# Altium PCB CPU_CARD.pcbdoc (part 10 of 10)
Units mil, origin at the board's own origin, x right, y up, seen from the top; angles counter-clockwise.
Board outline 12785.46 x 11935.21 mil, 2 copper layers (Top Layer, Bottom Layer); 169 components, 379 nets, 1548 pads, 1023 vias.
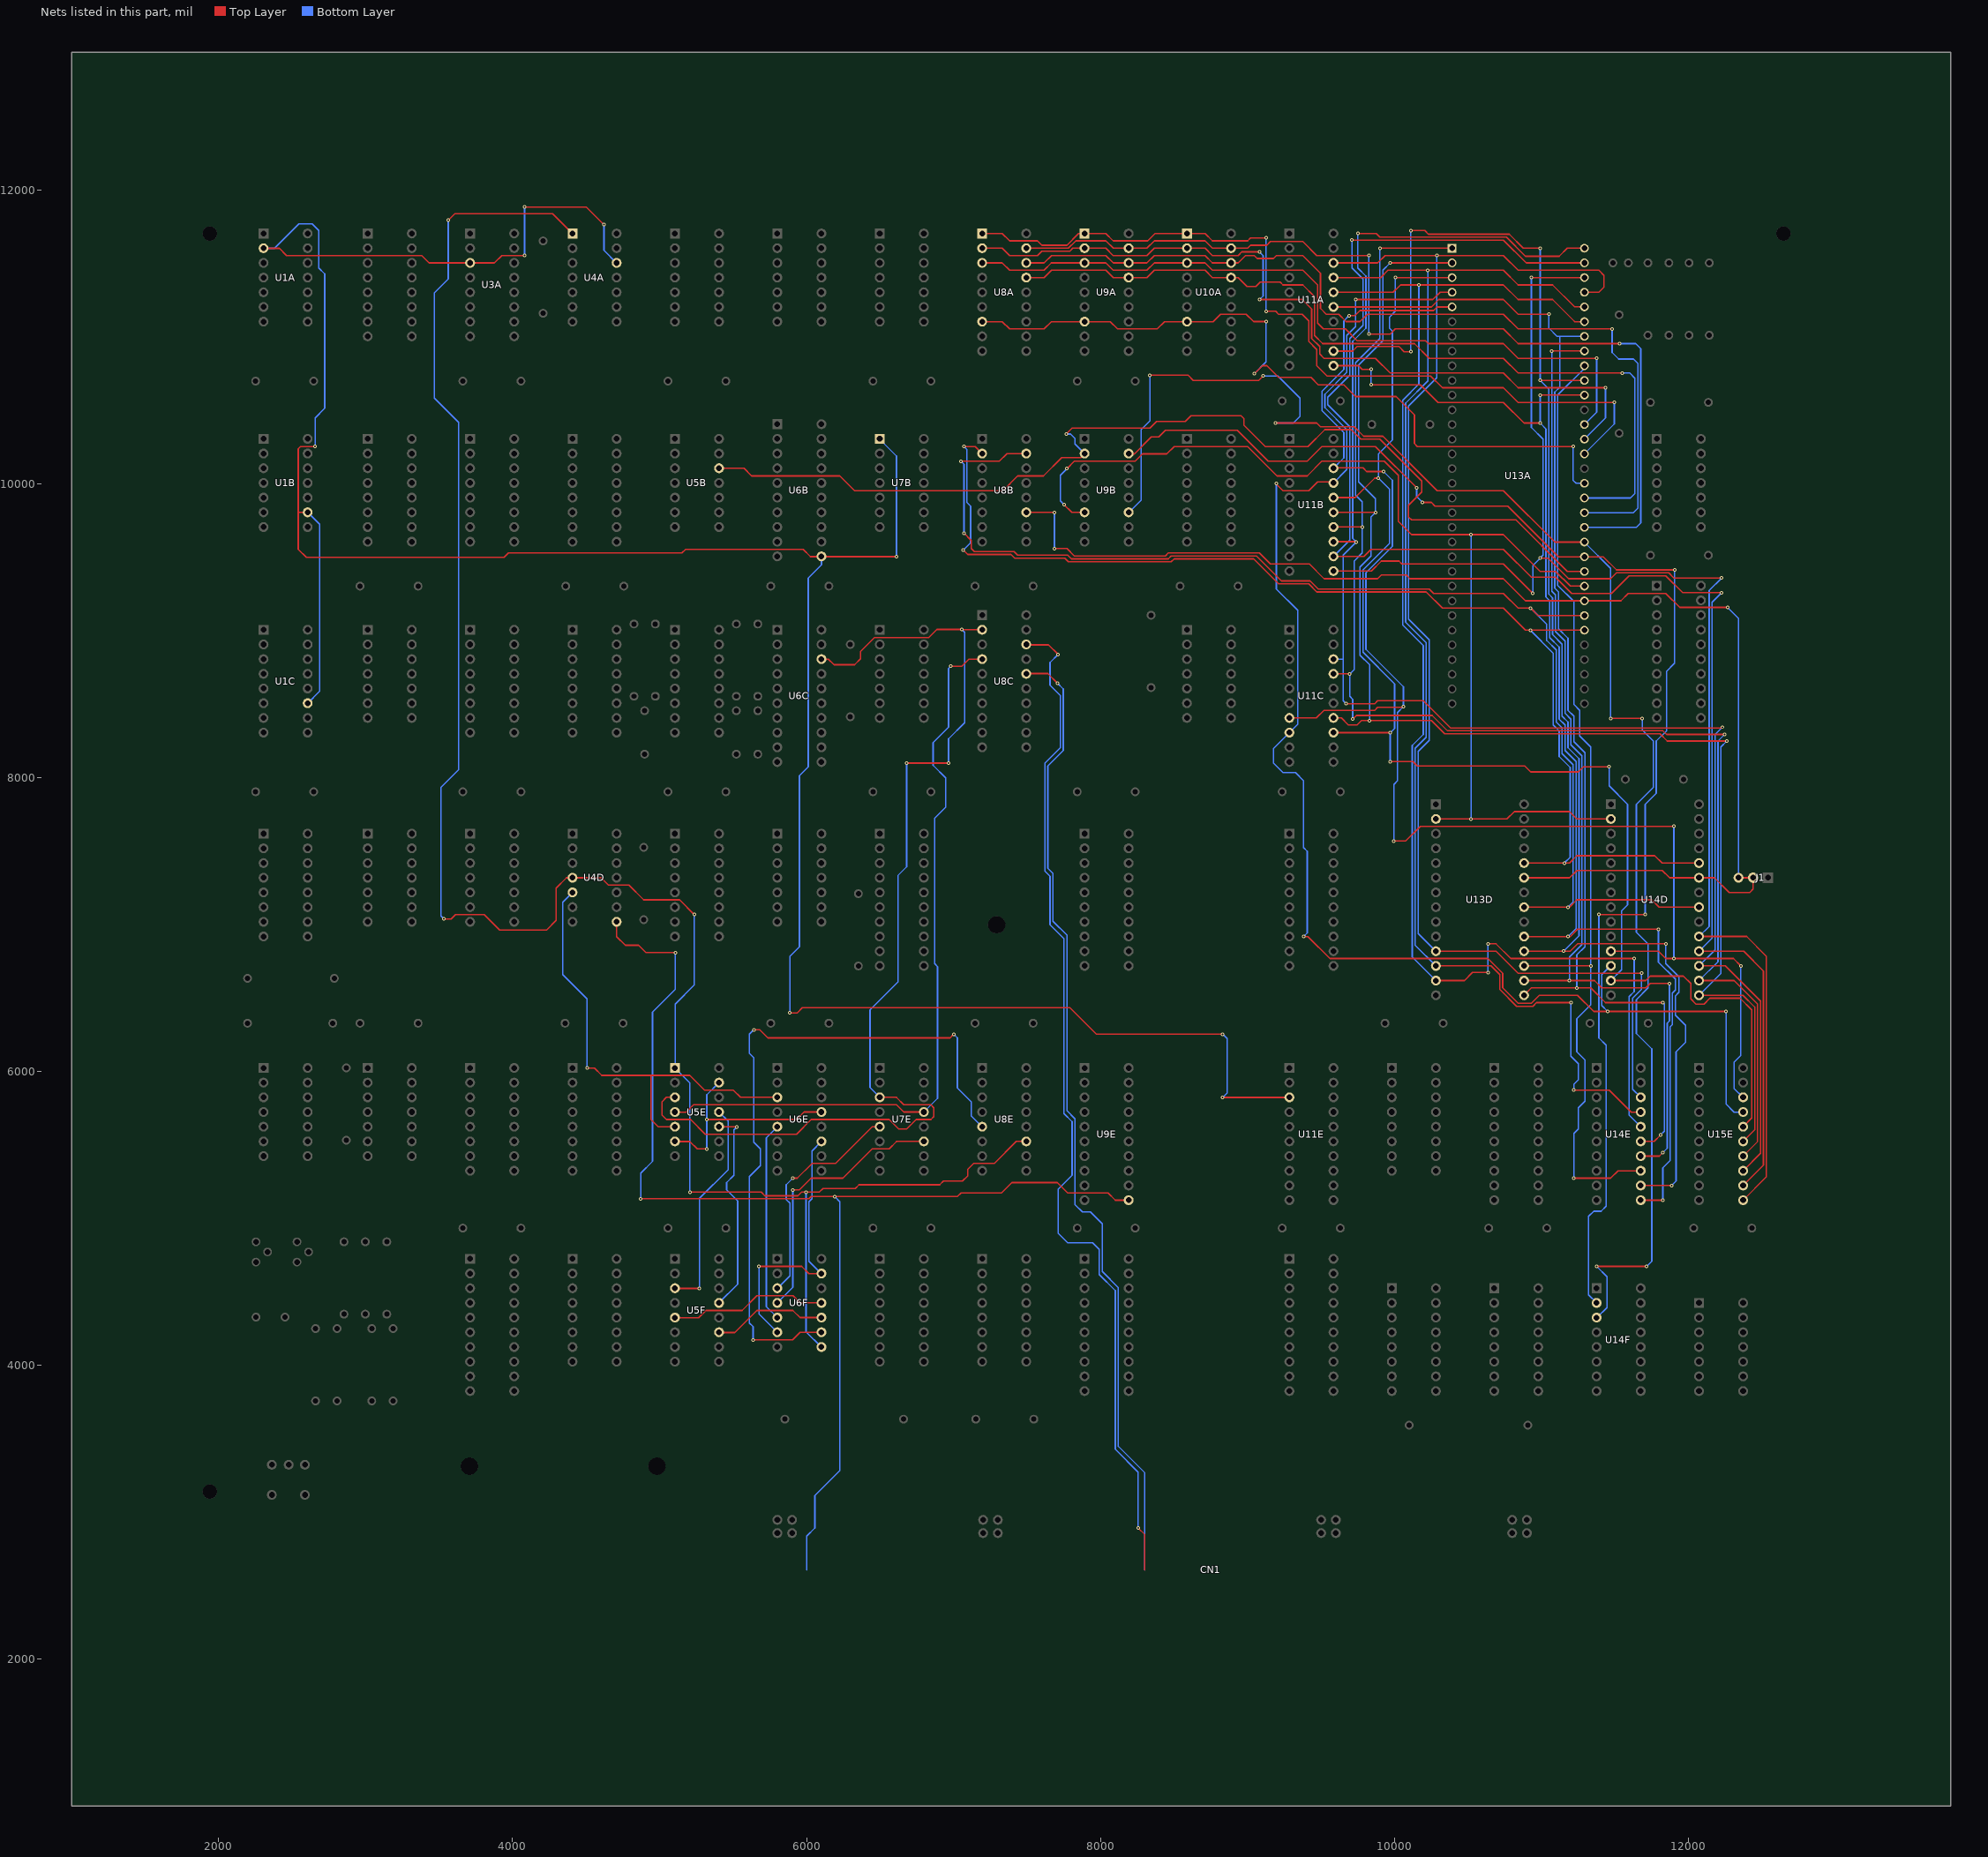
[diagram p10: the nets of this part, all layers, seen from the top]

## Via types
v1: diameter 24, hole 12, Top Layer to Bottom Layer, tented both sides, 1023 vias

## Nets (pads, with @x,y where several pads share a name; then routed paths per layer and width w, separated by ;. In a path a pad name is that pad's centre, name@x,y a point inside that pad or via, vN(x,y) a via of type N, cw(c..) or ccw(c..) an arc to the next point about the centre after c; other vN are vias at no path point) (continued)
UA10: U8B.2 U13A.38 U13D.24 U14D.24 | length 8302.7
  Top Layer w10: v1(7066.7,9547.2) 7096.7,9517.2 7391.7,9517.2 7416.7,9492.2 7756.7,9492.2 7781.7,9467.2 8481.7,9467.2 8501.7,9487.2 9041.7,9487.2 9211.7,9317.2 9416.7,9317.2 9471.7,9262.2 10216.7,9262.2 10326.7,9152.2 10741.7,9152.2 10891.8,9002.1 v1(10924.96,9002.09) ; v1(7071.7,10252.2) 7147.18,10252.2 U8B.2@7195.08,10204.3 ; U13D.24@10881.7,7417.2 v1(11156.7,7417.2) 11191.7,7417.2 11241.7,7467.2 11771.7,7467.2 11821.7,7417.2 U14D.24@12073.02,7417.29 ; v1(10924.96,9002.09) U13A.38@11292.71,9001.93
  Bottom Layer w10: v1(7066.7,9547.2) 7116.7,9597.2 7116.7,9847.2 7091.7,9872.2 7091.7,10232.2 v1(7071.7,10252.2) ; v1(10924.96,9002.09) 11081.7,8845.4 11081.7,8357.2 11121.7,8317.2 11121.7,8142.2 11196.7,8067.2 11196.7,7457.2 v1(11156.7,7417.2)
UA11: U8B.15 U13A.39 U13D.21 U14D.21 | length 8867.4
  Top Layer w10: v1(7051.7,10152.2) 7311.7,10152.2 7363.8,10204.3 U8B.15@7495.08,10204.3 ; v1(7071.7,9662.2) 7121.7,9612.2 7121.7,9557.2 7141.7,9537.2 7411.7,9537.2 7436.7,9512.2 7776.7,9512.2 7801.7,9487.2 8461.7,9487.2 8481.7,9507.2 9061.7,9507.2 9231.7,9337.2 9426.7,9337.2 9481.7,9282.2 10236.7,9282.2 10266.7,9252.2 10741.7,9252.2 10841.7,9152.2 v1(10926.7,9152.2) 10976.7,9102.2 U13A.39@11292.71,9101.93 ; U13D.21@10881.7,7117.2 v1(11181.7,7117.2) 11191.7,7117.2 11241.7,7167.2 11751.7,7167.2 11801.7,7117.2 U14D.21@12073.02,7117.29
  Bottom Layer w10: v1(7051.7,10152.2) 7071.7,10132.2 v1(7071.7,9662.2) ; v1(10926.7,9152.2) 11036.7,9042.2 11036.7,8932.2 11101.7,8867.2 11101.7,8377.2 11141.7,8337.2 11141.7,8162.2 11216.7,8087.2 11216.7,7152.2 v1(11181.7,7117.2)
UA12: J1.2 pad.8 U8B.11 U13A.40 U13D.23 U14D.23 | length 8961.6
  Top Layer w10: U8B.11@7495.08,9804.3 7684.61,9804.29 v1(7686.7,9802.2) ; v1(7686.7,9557.2) 7771.7,9557.2 7821.7,9507.2 8441.7,9507.2 8461.7,9527.2 9081.7,9527.2 9156.7,9452.2 9421.7,9452.2 9521.7,9352.2 9886.7,9352.2 9911.7,9377.2 10081.7,9377.2 10106.7,9352.2 10741.7,9352.2 10892,9201.9 U13A.40@11292.71,9201.93 11541.7,9201.9 11592,9252.2 11846.7,9252.2 11941.7,9157.2 v1(12266.7,9157.2) ; U13D.23@10881.7,7317.2 11192.79,7317.2 11242.78,7367.19 11822.78,7367.19 11872.77,7317.2 U14D.23@12073.02,7317.29 12177.78,7317.19 12277.78,7217.19 12417.78,7217.19 12440.98,7240.39 J1.2@12440.98,7317.19 ; pad.8@12341.69,7317.3 J1.2@12441.69,7317.29
  Bottom Layer w10: v1(7686.7,9557.2) v1(7686.7,9802.2) ; v1(12266.7,9157.2) 12341.7,9082.2 pad.8@12341.69,7317.3
UA13: U9B.6 U13A.41 U13D.2 U14D.2 | length 7848
  Top Layer w10: v1(7751.7,9857.2) 7804.6,9804.3 U9B.6@7891.93,9804.29 ; v1(7771.7,10102.2) 7821.7,10152.2 8236.7,10152.2 8286.7,10202.2 8451.7,10202.2 8501.7,10252.2 9001.7,10252.2 9201.7,10052.2 9406.7,10052.2 9506.7,10152.2 9931.7,10152.2 10026.7,10057.2 10026.7,9742.2 10116.7,9652.2 v1(10521.7,9652.2) 10741.7,9652.2 10991.7,9402.2 11096.7,9402.2 11197,9301.9 U13A.41@11292.71,9301.93 ; U13D.2@10281.7,7717.2 v1(10521.7,7717.2) 10766.5,7717.2 10816.5,7767.2 11191.5,7767.2 11241.5,7717.2 U14D.2@11473.02,7717.29
  Bottom Layer w10: v1(7751.7,9857.2) 7726.7,9882.2 7726.7,10057.2 v1(7771.7,10102.2) ; v1(10521.7,7717.2) v1(10521.7,9652.2)
UA14: U5B.12 U9B.2 U13A.42 | length 7267.7
  Top Layer w10: U5B.12@5404.53,10104.29 5574.6,10104.3 5626.7,10052.2 6226.7,10052.2 6326.7,9952.2 7336.7,9952.2 7436.7,10052.2 7611.7,10052.2 7736.7,10177.2 7866.7,10177.2 7891.9,10202.4 U9B.2@7891.93,10204.29 ; v1(7766.7,10337.2) 7806.7,10377.2 8336.7,10377.2 8381.7,10422.2 8576.7,10422.2 8616.7,10462.2 8956.7,10462.2 8976.7,10442.2 8976.7,10397.2 9121.7,10252.2 9411.7,10252.2 9526.7,10367.2 9706.7,10367.2 9771.7,10302.2 9901.7,10302.2 10186.7,10017.2 10186.7,9942.2 10096.7,9852.2 10096.7,9772.2 10116.7,9752.2 10826.7,9752.2 11177,9401.9 U13A.42@11292.71,9401.93
  Bottom Layer w10: v1(7766.7,10337.2) 7796.7,10337.2 7826.7,10307.2 7826.7,10269.5 U9B.2@7891.93,10204.29
UA15: U9B.15 U13A.43 U14F.2 | length 9802.2
  Top Layer w10: U9B.15@8191.93,10204.29 8194,10202.2 8231.7,10202.2 8346.7,10317.2 8396.7,10317.2 8441.7,10362.2 8931.7,10362.2 9141.7,10152.2 9406.7,10152.2 9506.7,10252.2 9871.7,10252.2 v1(10151.7,9972.2) ; v1(10191.7,9872.2) 10251.7,9872.2 10276.7,9847.2 10771.7,9847.2 11117,9501.9 U13A.43@11292.71,9501.93 11422,9501.9 11511.7,9412.2 v1(11906.7,9412.2) ; v1(11391.7,7067.2) v1(11706.7,7067.2)
  Bottom Layer w10: v1(10151.7,9972.2) 10151.7,9912.2 v1(10191.7,9872.2) ; U14F.2@11376.17,4423.6 11321.7,4478.1 11321.7,5012.2 11356.7,5047.2 11406.7,5047.2 11441.7,5082.2 11441.7,6177.2 11391.7,6227.2 v1(11391.7,7067.2) ; v1(11706.7,7067.2) 11706.7,7817.2 11781.7,7892.2 11781.7,8247.2 11851.7,8317.2 11851.7,8722.2 11906.7,8777.2 v1(11906.7,9412.2)
UA16: U9B.11 U13A.44 U14F.3 | length 11018.1
  Top Layer w10: v1(8336.7,10737.2) 8596.7,10737.2 8631.7,10702.2 9076.7,10702.2 v1(9106.7,10732.2) ; v1(9191.7,10412.2) 9471.7,10412.2 9496.7,10387.2 9726.7,10387.2 9791.7,10322.2 9921.7,10322.2 10291.7,9952.2 10741.7,9952.2 11092,9601.9 U13A.44@11292.71,9601.93 ; v1(11376.7,4672.2) v1(11716.7,4672.2) ; v1(11471.7,8402.2) v1(11686.7,8402.2)
  Bottom Layer w10: U9B.11@8191.93,9804.29 8193.78,9804.28 8276.7,9887.2 8276.7,10367.2 8336.7,10427.2 v1(8336.7,10737.2) ; v1(9106.7,10732.2) 9206.7,10732.2 9356.7,10582.2 9356.7,10457.2 9311.7,10412.2 v1(9191.7,10412.2) ; U13A.44@11292.71,9601.93 11471.7,9422.94 v1(11471.7,8402.2) ; U14F.3@11376.17,4323.6 11378.09,4323.59 11446.7,4392.2 11446.7,4602.2 v1(11376.7,4672.2) ; v1(11686.7,8402.2) 11686.7,8322.2 11761.7,8247.2 11761.7,7932.2 11646.7,7817.2 11646.7,6947.2 11726.7,6867.2 11726.7,6567.2 11646.7,6487.2 11646.7,6257.2 11751.7,6152.2 11751.7,4707.2 v1(11716.7,4672.2)
UA17: U8A.17 U9A.17 U10A.17 U13A.45 | length 6509.8
  Top Layer w10: U8A.17@7495.07,11601.92 7781.4,11601.9 7831.7,11652.2 8036.7,11652.2 8087,11601.9 U9A.17@8191.92,11601.92 8316.7,11601.9 8367,11652.2 8711.7,11652.2 8761.7,11602.2 U10A.17@8888.77,11601.92 9001.7,11602.2 9021.7,11622.2 9131.7,11622.2 9156.7,11647.2 9376.7,11647.2 9471.7,11552.2 v1(9826.7,11552.2) ; v1(9826.7,11017.2) 9971.7,11017.2 10006.7,11052.2 10741.7,11052.2 10841.7,10952.2 v1(11531.7,10952.2)
  Bottom Layer w10: v1(9826.7,11017.2) 9826.7,11432.2 v1(9826.7,11552.2) ; U13A.45@11292.71,9701.93 11646.4,9701.9 11676.7,9732.2 11676.7,10917.2 11641.7,10952.2 v1(11531.7,10952.2)
UA18: U8A.16 U9A.16 U10A.16 U13A.46 | length 6223.7
  Top Layer w10: U8A.16@7495.07,11501.92 7616.4,11501.9 7666.7,11552.2 8036.7,11552.2 8087,11501.9 U9A.16@8191.92,11501.92 8316.7,11502.2 8366.7,11552.2 8711.7,11552.2 8761.7,11502.2 U10A.16@8888.77,11501.92 8936.4,11501.9 8986.7,11552.2 9046.7,11552.2 9066.7,11532.2 9176.7,11532.2 9196.7,11552.2 9376.7,11552.2 9496.7,11432.2 9496.7,11192.2 9536.7,11152.2 9621.7,11152.2 9671.7,11102.2 9766.7,11102.2 9816.7,11152.2 10741.7,11152.2 10841.7,11052.2 v1(11481.7,11052.2)
  Bottom Layer w10: U13A.46@11292.71,9801.93 11626.7,9802.2 11656.7,9832.2 11656.7,10817.2 11626.7,10847.2 11526.7,10847.2 11481.7,10892.2 v1(11481.7,11052.2)
UA19: U8A.15 U9A.15 U10A.15 U13A.47 | length 5829.9
  Top Layer w10: U8A.15@7495.07,11401.92 7616.4,11401.9 7666.7,11452.2 8036.7,11452.2 8087,11401.9 U9A.15@8191.92,11401.92 8316.7,11402.2 8366.7,11452.2 8711.7,11452.2 8761.7,11402.2 U10A.15@8888.77,11401.92 8937,11401.9 8996.7,11342.2 9056.7,11342.2 9086.7,11372.2 9221.7,11372.2 9241.7,11352.2 9376.7,11352.2 9456.7,11272.2 9456.7,11007.2 9511.7,10952.2 10136.7,10952.2 10236.7,10852.2 10741.7,10852.2 10841.7,10752.2 v1(11551.7,10752.2)
  Bottom Layer w10: U13A.47@11292.71,9901.93 11606.4,9901.9 11636.7,9932.2 11636.7,10717.2 11601.7,10752.2 v1(11551.7,10752.2)
UA20: U8A.7 U9A.7 U10A.7 U13A.48 | length 5292.7
  Top Layer w10: U8A.7@7195.07,11101.92 7332,11101.9 7381.7,11052.2 7616.7,11052.2 7666.4,11101.9 U9A.7@7891.92,11101.92 8066.7,11101.9 8116.4,11052.2 8386.7,11052.2 8436.4,11101.9 U10A.7@8588.77,11101.92 8766.7,11101.9 8817,11152.2 8991.7,11152.2 9041.7,11102.2 v1(9126.7,11102.2) ; v1(9046.7,10747.2) 9101.7,10802.2 9131.7,10802.2 9211.7,10722.2 9431.7,10722.2 9481.7,10672.2 9656.7,10672.2 9736.7,10592.2 10011.7,10592.2 10136.7,10467.2 10136.7,10272.2 10156.7,10252.2 v1(11216.7,10252.2)
  Bottom Layer w10: v1(9046.7,10747.2) 9126.7,10827.2 v1(9126.7,11102.2) ; v1(11216.7,10252.2) 11216.7,10022.2 11236.7,10002.2 U13A.48@11292.71,10001.93
UA21: U8A.1 U9A.1 U10A.1 U13A.50 | length 5775.7
  Top Layer w10: U8A.1@7195.07,11701.92 7332,11701.9 7381.7,11652.2 7571.7,11652.2 7601.7,11622.2 7771.7,11622.2 7851.4,11701.9 U9A.1@7891.92,11701.92 8037,11701.9 8086.7,11652.2 8321.7,11652.2 8371.4,11701.9 U10A.1@8588.77,11701.92 ; U10A.1@8588.77,11701.92 8711.7,11701.92 8761.42,11652.2 9001.7,11652.2 9021.7,11672.2 v1(9126.7,11672.2) ; v1(9126.7,11172.2) 9191.7,11172.2 9211.7,11152.2 9371.7,11152.2 9416.7,11107.2 9416.7,10967.2 9471.7,10912.2 9471.7,10802.2 9541.7,10732.2 10246.7,10732.2 10326.7,10652.2 10741.7,10652.2 10841.7,10552.2 v1(11496.7,10552.2)
  Bottom Layer w10: v1(9126.7,11172.2) v1(9126.7,11672.2) ; U13A.50@11292.71,10201.93 11496.7,10405.92 v1(11496.7,10552.2)
UA22: U8A.2 U9A.2 U10A.2 U13A.51 | length 5505.6
  Top Layer w10: U8A.2@7195.07,11601.92 7332,11601.9 7381.7,11552.2 7571.7,11552.2 7601.7,11582.2 7791.7,11582.2 7811.4,11601.9 U9A.2@7891.92,11601.92 8037,11601.9 8086.7,11552.2 8316.7,11552.2 8366.7,11602.2 U10A.2@8588.77,11601.92 ; U10A.2@8588.77,11601.92 8711.98,11601.92 8761.7,11552.2 8936.7,11552.2 8961.7,11577.2 v1(9081.7,11577.2) ; v1(9081.7,11252.2) 9371.7,11252.2 9436.7,11187.2 9436.7,10987.2 9491.7,10932.2 9491.7,10882.2 9521.7,10852.2 9871.7,10852.2 9971.7,10752.2 10741.7,10752.2 10841.7,10652.2 v1(11436.7,10652.2)
  Bottom Layer w10: v1(9081.7,11252.2) 9106.7,11277.2 9106.7,11552.2 v1(9081.7,11577.2) ; U13A.51@11292.71,10301.93 11436.7,10445.92 v1(11436.7,10652.2)
UA23: U8A.3 U9A.3 U10A.3 U13A.52 | length 5170.5
  Top Layer w10: U8A.3@7195.07,11501.92 7332,11501.9 7381.7,11452.2 7616.7,11452.2 7666.4,11501.9 U9A.3@7891.92,11501.92 8037,11501.9 8086.7,11452.2 8316.7,11452.2 8366.7,11502.2 U10A.3@8588.77,11501.92 8712,11501.9 8761.7,11452.2 9376.7,11452.2 9476.7,11352.2 9476.7,11092.2 9516.7,11052.2 9666.7,11052.2 9746.7,10972.2 10211.7,10972.2 10231.7,10952.2 10741.7,10952.2 10841.7,10852.2 v1(11376.7,10852.2)
  Bottom Layer w10: U13A.52@11292.71,10401.93 11376.7,10485.92 v1(11376.7,10852.2)
UD0: U11B.18 U11C.7 U13A.5 U14D.11 U15E.18 | length 10538
  Top Layer w10: U11C.7@9285.62,8405.08 9469.6,8405.1 9521.7,8457.2 9866.7,8457.2 9886.7,8477.2 10056.7,8477.2 v1(10061.7,8482.2) ; U11B.18@9585.62,10104.29 9588.53,10107.2 9786.7,10107.2 9811.7,10082.2 v1(9926.7,10082.2) ; v1(9691.7,11142.2) 9731.7,11142.2 9766.7,11177.2 10266.7,11177.2 10291.4,11201.9 U13A.5@10392.71,11201.93 ; v1(9996.7,7567.2) 10076.7,7567.2 10176.7,7667.2 v1(11901.7,7667.2) ; U14D.11@11485.61,6817.2 11796.7,6817.2 11846.7,6767.2 v1(11901.7,6767.2) 12306.7,6767.2 v1(12356.7,6717.2)
  Bottom Layer w10: U11B.18@9585.62,10104.29 9656.7,10175.4 9656.7,10347.2 9506.7,10497.2 9506.7,10627.2 9656.7,10777.2 9656.7,11107.2 v1(9691.7,11142.2) ; v1(9926.7,10082.2) 9986.7,10022.2 9986.7,9572.2 9806.7,9392.2 9806.7,8872.2 10061.7,8617.2 v1(10061.7,8482.2) 10021.7,8442.2 10021.7,7977.2 9996.7,7952.2 v1(9996.7,7567.2) ; v1(11901.7,6767.2) 11901.7,6987.2 v1(11901.7,7667.2) ; v1(12356.7,6717.2) 12356.7,6107.2 12311.7,6062.2 12311.7,5882.2 12371.1,5822.8 U15E.18@12373.02,5822.8
UD1: U11B.17 U11C.8 U13A.4 U14D.12 U15E.17 | length 12106.7
  Top Layer w10: v1(9196.7,10002.2) 9196.7,9997.2 9241.7,9952.2 9276.7,9952.2 9416.7,9952.2 9476.7,10012.2 9577.71,10012.2 U11B.17@9585.62,10004.29 ; v1(9736.7,11252.2) 10261.7,11252.2 10311.4,11301.9 U13A.4@10392.71,11301.93 ; v1(12256.7,6407.2) v1(11451.7,6407.2) 11356.7,6407.2 11246.7,6517.2 10986.7,6517.2 ; 9411.7,6917.2 v1(9381.7,6917.2) 9411.7,6917.2 ; 9411.7,6917.2 9561.7,6767.2 ; 9411.7,6917.2 9561.7,6767.2 ; 9561.7,6767.2 10636.7,6767.2 ; 9561.7,6767.2 10636.7,6767.2 ; 10636.7,6767.2 10736.7,6667.2 ; 10636.7,6767.2 10736.7,6667.2 ; 10736.7,6567.2 10736.7,6667.2 ; 10736.7,6567.2 10841.7,6462.2 ; 10736.7,6567.2 10736.7,6667.2 ; 10736.7,6567.2 10841.7,6462.2 ; 10841.7,6462.2 10931.7,6462.2 ; 10841.7,6462.2 10931.7,6462.2 ; 10931.7,6462.2 10986.7,6517.2 ; 10931.7,6462.2 10986.7,6517.2
  Bottom Layer w10: v1(9196.7,10002.2) 9196.7,9282.2 9341.7,9137.2 9341.7,8361.2 U11C.8@9285.62,8305.08 9176.7,8196.2 9176.7,8097.2 9241.7,8032.2 9326.7,8032.2 9381.7,7977.2 9381.7,7522.2 9406.7,7497.2 9406.7,6942.2 v1(9381.7,6917.2) ; U11B.17@9585.62,10004.29 9676.7,10095.4 9676.7,10367.2 9526.7,10517.2 9526.7,10607.2 9676.7,10757.2 9676.7,11007.2 9736.7,11067.2 v1(9736.7,11252.2) ; v1(11451.7,6407.2) 11411.7,6447.2 11411.7,6657.2 U14D.12@11471.8,6717.3 ; v1(12256.7,6407.2) 12256.7,5777.2 12311.7,5722.2 U15E.17@12373.02,5722.8
UD2: U11B.16 U11C.13 U13A.3 U14D.13 U15E.16 | length 9767.4
  Top Layer w10: U11C.13@9585.62,8305.08 9969.91,8305.08 v1(9971.7,8303.29) ; U11B.16@9585.62,9904.29 9733.8,9904.3 9866.7,10037.2 v1(9891.7,10037.2) ; v1(9971.7,8107.2) 10126.7,8107.2 10156.7,8077.2 10886.7,8077.2 10926.7,8037.2 11251.7,8037.2 11286.7,8072.2 v1(11461.7,8072.2) ; v1(10006.7,11402.2) 10392.44,11402.2 U13A.3@10392.71,11401.93 ; U14D.13@11473.02,6617.29 11711.7,6617.2 11741.7,6647.2 11966.7,6647.2 12016.7,6597.2 12016.7,6492.2 12051.7,6457.2 12106.7,6457.2 12146.7,6497.2 12351.7,6497.2 12431.7,6417.2 12431.7,5681.5 U15E.16@12373.02,5622.8
  Bottom Layer w10: v1(9971.7,8107.2) v1(9971.7,8303.29) 10001.7,8333.3 10001.7,8637.2 9786.7,8852.2 9786.7,9412.2 9966.7,9592.2 9966.7,9962.2 v1(9891.7,10037.2) 9891.7,10202.2 9986.7,10297.2 9986.7,11037.2 9966.7,11057.2 9966.7,11132.2 10006.7,11172.2 v1(10006.7,11402.2) ; v1(11461.7,8072.2) 11461.7,7942.2 11586.7,7817.2 11586.7,7132.2 11546.7,7092.2 11546.7,6691 U14D.13@11473.02,6617.29
UD3: U11B.15 U11C.14 U13A.2 U14D.15 U15E.15 | length 9963.1
  Top Layer w10: U11C.14@9585.62,8405.08 9638.8,8405.1 9686.7,8357.2 9746.7,8357.2 9776.7,8387.2 v1(9831.7,8387.2) 10251.7,8387.2 10341.7,8297.2 11806.7,8297.2 11856.7,8247.2 v1(12261.7,8247.2) ; U11B.15@9585.62,9804.29 9869.61,9804.29 v1(9871.7,9802.2) ; v1(9971.7,11501.93) U13A.2@10392.71,11501.93 ; U14D.15@12073.02,6517.29 12371.6,6517.3 12451.7,6437.2 12451.7,5601.5 U15E.15@12373.02,5522.8
  Bottom Layer w10: v1(9831.7,8387.2) 9831.7,8767.2 9766.7,8832.2 9766.7,9432.2 9841.7,9507.2 9841.7,9772.2 v1(9871.7,9802.2) 9871.7,9897.2 9756.7,10012.2 9756.7,10807.2 9921.7,10972.2 9921.7,11451.9 v1(9971.7,11501.93) ; U14D.15@12073.02,6517.29 12221.7,6666 12221.7,8207.2 v1(12261.7,8247.2)
UD4: U11B.14 U11C.17 U13A.1 U14D.16 U15E.14 | length 10016.2
  Top Layer w10: U11C.17@9585.62,8705.08 9695.55,8705.08 v1(9696.7,8703.93) ; U11B.14@9585.62,9704.29 9780.23,9704.29 v1(9781.7,9702.82) ; v1(9716.7,8397.2) 9741.7,8422.2 10256.7,8422.2 10361.7,8317.2 11826.7,8317.2 11851.7,8292.2 v1(12246.7,8292.2) ; v1(9901.7,11602.2) 10392.44,11602.2 U13A.1@10392.71,11601.93 ; U14D.16@12073.02,6617.29 12311.6,6617.3 12471.7,6457.2 12471.7,5521.5 U15E.14@12373.02,5422.8
  Bottom Layer w10: v1(9716.7,8397.2) 9716.7,8532.2 9696.7,8552.2 v1(9696.7,8703.93) 9726.7,8733.9 9726.7,9472.2 9781.7,9527.2 v1(9781.7,9702.82) 9781.7,9877.2 9736.7,9922.2 9736.7,10822.2 9901.7,10987.2 v1(9901.7,11602.2) ; U14D.16@12073.02,6617.29 12201.7,6746 12201.7,8247.2 v1(12246.7,8292.2)
UD5: U11B.13 U11C.18 U13A.64 U14D.17 U15E.13 | length 11229.1
  Top Layer w10: U11B.13@9585.62,9604.29 9739.61,9604.29 v1(9741.7,9602.2) ; v1(9671.7,8502.2) 9866.7,8502.2 9886.7,8522.2 10196.7,8522.2 10381.7,8337.2 12231.7,8337.2 v1(12231.7,8342.2) ; v1(9751.7,11702.2) 9876.7,11702.2 9901.7,11677.2 10761.7,11677.2 10891.7,11547.2 11121.7,11547.2 11176.4,11601.9 U13A.64@11292.71,11601.93 ; U14D.17@12073.02,6717.29 12251.6,6717.3 12491.7,6477.2 12491.7,5441.5 U15E.13@12373.02,5322.8
  Bottom Layer w10: U11C.18@9585.62,8805.08 9651.7,8805.08 ; v1(9671.7,8502.2) 9651.7,8522.2 9651.7,9512.2 v1(9741.7,9602.2) 9716.7,9627.2 9716.7,10967.2 9806.7,11057.2 9806.7,11412.2 9751.7,11467.2 v1(9751.7,11702.2) ; U14D.17@12073.02,6717.29 12181.7,6826 12181.7,8292.2 v1(12231.7,8342.2)
UD6: U11B.12 U13A.63 U14D.18 U15E.12 | length 11434.5
  Top Layer w10: U11B.12@9585.62,9504.29 9793.8,9504.3 9841.7,9552.2 10741.7,9552.2 10931.7,9362.2 11096.7,9362.2 11206.7,9252.2 11476.7,9252.2 11596.7,9372.2 11846.7,9372.2 11961.7,9257.2 v1(12226.7,9257.2) ; v1(9711.7,11657.2) 10741.7,11657.2 10897,11501.9 U13A.63@11292.71,11501.93 ; U14D.18@12073.02,6817.29 12376.7,6817.29 12511.7,6682.29 12511.7,5361.48 U15E.12@12373.02,5222.8